# KiCad board Backplane_v2.kicad_pcb (continued)
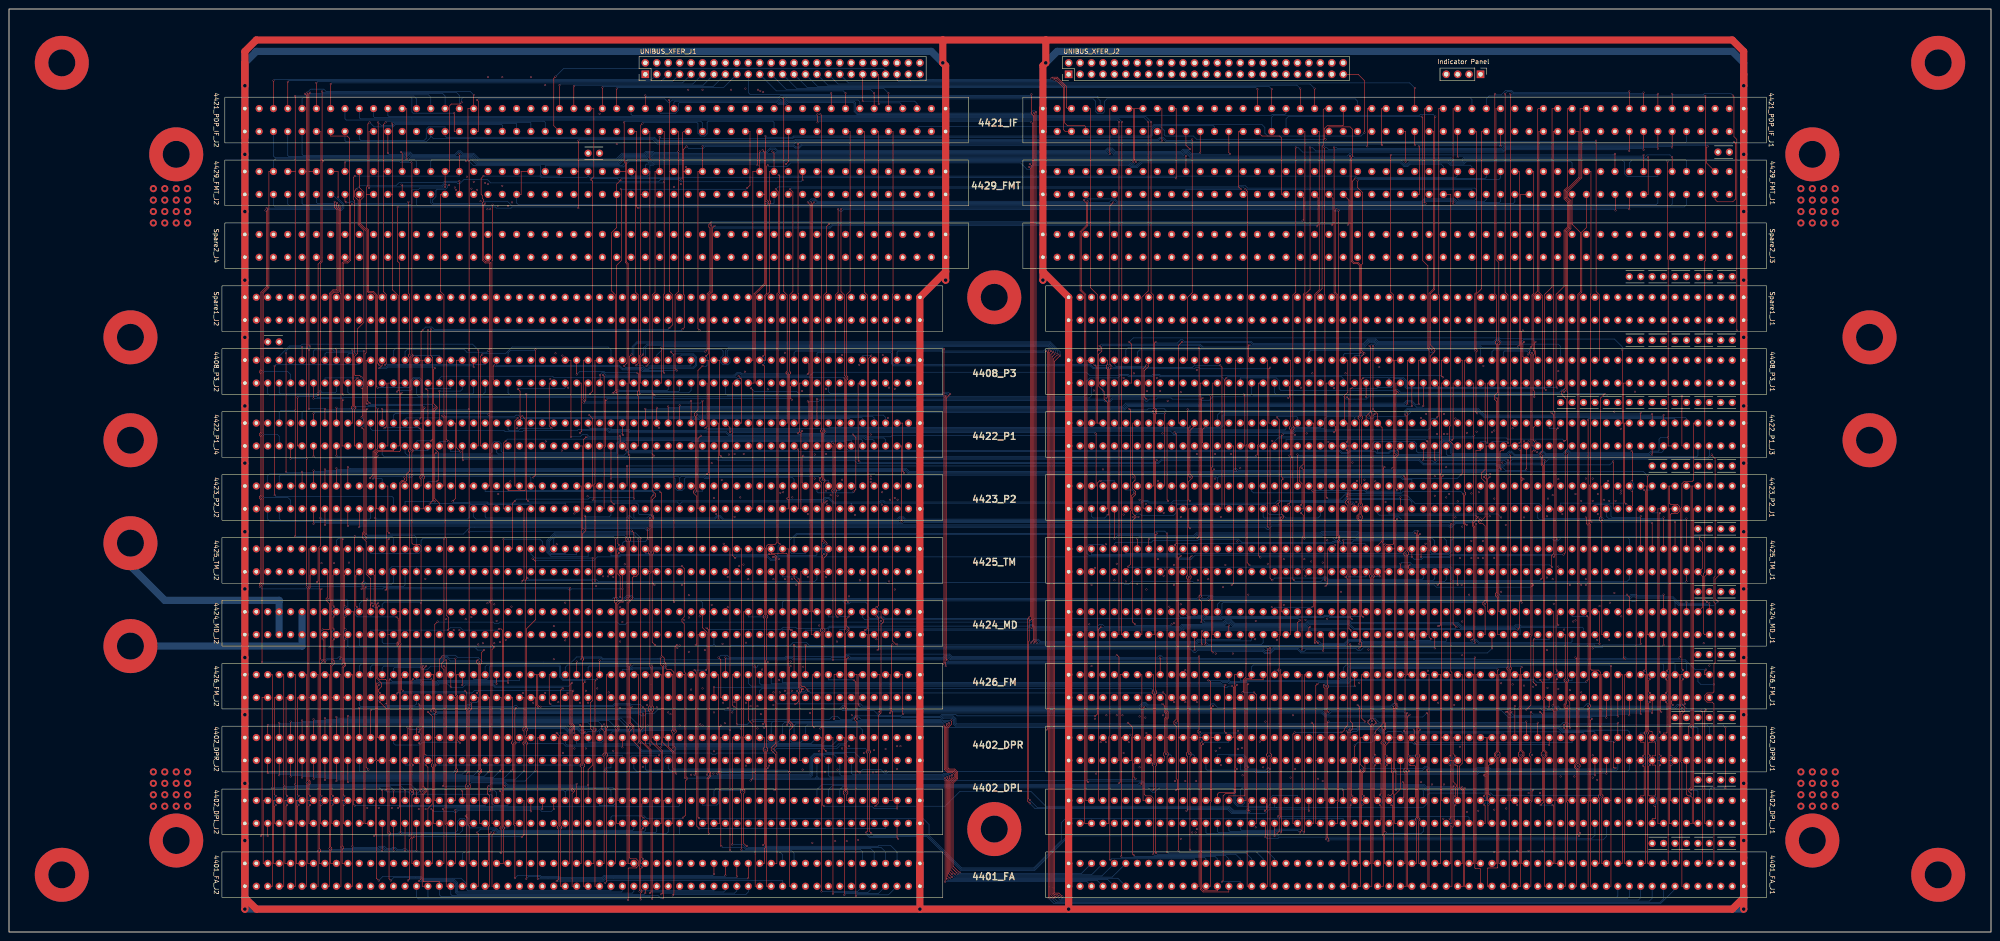
[diagram p0: board, top side]
## Nets (continued)
SP+DP01*: 4422_P1_J3.27 4423_P2_J1.30 4424_MD_J1.50
SP+DP02*: 4422_P1_J3.29 4423_P2_J1.31 4424_MD_J1.51
SP+DP03*: 4422_P1_J3.31 4423_P2_J1.32 4424_MD_J1.52
SP+DP04*: 4422_P1_J3.39 4423_P2_J1.51 4424_MD_J1.69
SP+DP05*: 4422_P1_J3.41 4423_P2_J1.52 4424_MD_J1.70
SP+DP06*: 4422_P1_J3.43 4423_P2_J1.53 4424_MD_J1.71
SP+DP07*: 4422_P1_J3.45 4423_P2_J1.54 4424_MD_J1.72
SP+DP08*: 4422_P1_J3.73 4423_P2_J1.59 4424_MD_J1.81
SP+DP09*: 4422_P1_J3.75 4423_P2_J1.60 4424_MD_J1.82
SP+DP10*: 4422_P1_J3.77 4423_P2_J1.61 4424_MD_J1.83
SP+DP11*: 4422_P1_J3.79 4423_P2_J1.62 4424_MD_J1.84
SP+DP12*: 4422_P1_J3.105 4423_P2_J1.75 4424_MD_J1.101
SP+DP13*: 4422_P1_J3.107 4423_P2_J1.76 4424_MD_J1.102
SP+DP14*: 4422_P1_J3.109 4423_P2_J1.77 4424_MD_J1.103
SP+DP15*: 4422_P1_J3.111 4423_P2_J1.78 4424_MD_J1.104
SPA2PNL: 4408_P3_J1.82 4422_P1_J4.21
SPD2PNL: 4408_P3_J1.81 4422_P1_J3.10
SPEC*: 4408_P3_J2.10 4422_P1_J4.77
SPIN*: 4408_P3_J1.51 4422_P1_J4.17 4423_P2_J1.93
SR2HD*: 4408_P3_J1.70 4421_PDP_IF_J2.92
SRADEC: 4422_P1_J4.55 4423_P2_J2.22
SRAINC: 4422_P1_J4.56 4423_P2_J2.23
SRAOVD: 4422_P1_J4.15 4423_P2_J2.47
SRSWE*: 4422_P1_J4.74 4423_P2_J2.20
STA2PNL: 4408_P3_J1.84 4422_P1_J3.12
TM02*: 4425_TM_J1.87
TM2A1: 4408_P3_J2.34 4425_TM_J1.21
TM2DP: 4423_P2_J1.109 4425_TM_J1.22
TM2M1: 4423_P2_J2.51 4425_TM_J2.73
TM2PNL: 4408_P3_J1.48 4423_P2_J2.116
TM03*: 4425_TM_J1.88
TM04*: 4425_TM_J1.89
TM05*: 4425_TM_J1.90
TM06*: 4425_TM_J1.91
TM07*: 4425_TM_J1.92
TM08*: 4425_TM_J2.5
TM09*: 4425_TM_J2.6
TM10*: 4425_TM_J2.7
TM11*: 4425_TM_J2.8
TM12*: 4425_TM_J2.9
TM13*: 4425_TM_J2.10
TM14*: 4425_TM_J2.11
TM15*: 4425_TM_J2.12
TM16*: 4425_TM_J2.39
TM17*: 4425_TM_J2.40
TM18*: 4425_TM_J2.41
TM19*: 4425_TM_J2.42
TM20*: 4425_TM_J2.43
TM21*: 4425_TM_J2.44
TM22*: 4425_TM_J2.45
TM23*: 4425_TM_J2.46
TM24*: 4425_TM_J2.75
TM25*: 4425_TM_J2.76
TM26*: 4425_TM_J2.77
TM27*: 4425_TM_J2.78
TM28*: 4425_TM_J2.79
TM29*: 4425_TM_J2.80
TM30*: 4425_TM_J2.81
TM31*: 4425_TM_J2.82
TM32*: 4425_TM_J2.109
TM33*: 4425_TM_J2.110
TM34*: 4425_TM_J2.111
TM35*: 4425_TM_J2.112
TM36*: 4425_TM_J2.113
TM37*: 4425_TM_J2.114
TM38*: 4425_TM_J2.115
TM39*: 4425_TM_J2.116
TMA00: 4423_P2_J1.25 4425_TM_J1.13
TMA01: 4423_P2_J1.26 4425_TM_J1.15
TMA02: 4423_P2_J1.27 4425_TM_J1.17
TMA2PNL: 4408_P3_J1.93 4423_P2_J1.37
TMA03: 4423_P2_J1.28 4425_TM_J1.19
TMA04: 4423_P2_J1.47 4425_TM_J1.23
TMA05: 4423_P2_J1.48 4425_TM_J1.25
TMA06: 4423_P2_J1.49 4425_TM_J1.27
TMA07: 4423_P2_J1.50 4425_TM_J1.29
TMA08: 4423_P2_J1.55 4425_TM_J1.33
TMA09: 4423_P2_J1.56 4425_TM_J1.35
TMA10: 4423_P2_J1.57 4425_TM_J1.37
TMA11: 4423_P2_J1.58 4425_TM_J1.39
TMA12: 4423_P2_J1.71 4425_TM_J1.43
TMA13: 4423_P2_J1.72 4425_TM_J1.45
TMA14: 4423_P2_J1.73 4425_TM_J1.47
TMA15: 4423_P2_J1.74 4425_TM_J1.49
TMALD*A: 4422_P1_J4.37 4423_P2_J2.114
TMINH: 4423_P2_J1.38 4425_TM_J1.11
TMNEG: 4423_P2_J1.36 4425_TM_J1.62
TMREGE: 4423_P2_J2.113 4425_TM_J1.61
TRIGQ*: 4408_P3_J1.31
TSPIN: 4408_P3_J1.52 4422_P1_J4.42 4423_P2_J2.15
TST0: 4422_P1_J4.44
TST1: 4422_P1_J4.46
TST2: 4422_P1_J4.48
TST3: 4422_P1_J4.50
UNFL*: 4421_PDP_IF_J1.72 4429_FMT_J1.80
USECB*: 4408_P3_J2.7 4423_P2_J1.108
USEPNL*: 4408_P3_J1.56 4422_P1_J4.35
USEPSA*: 4408_P3_J1.53 4422_P1_J4.33
WDPI: 4422_P1_J4.82 4423_P2_J1.24
WRTEXP: 4408_P3_J1.109 4423_P2_J1.97 4424_MD_J1.9 4425_TM_J1.10
WRTHM: 4408_P3_J1.113 4423_P2_J1.96 4424_MD_J1.11 4425_TM_J1.8
WRTLM: 4408_P3_J1.114 4423_P2_J1.95 4424_MD_J1.13 4425_TM_J1.6
X01: 4402_DPL_J1.9 4402_DPR_J1.9 4423_P2_J1.9
X02: 4402_DPL_J1.11 4402_DPR_J1.11 4423_P2_J1.11
X03: 4402_DPL_J1.13 4402_DPR_J1.13 4423_P2_J1.13
X04: 4402_DPL_J1.15 4402_DPR_J1.15 4423_P2_J1.15
X05: 4402_DPL_J1.17 4402_DPR_J1.17 4423_P2_J1.17
XECLKE*: 4402_DPL_J1.49 4423_P2_J1.81
XHMCLKE*: 4402_DPR_J1.49 4423_P2_J1.82
XIA: 4402_DPL_J1.45 4402_DPR_J1.45 4423_P2_J1.84
XIB: 4402_DPL_J1.46 4402_DPR_J1.46 4423_P2_J1.89
XLMCLKE*: 4402_DPL_J1.51 4402_DPR_J1.51 4423_P2_J1.83
Y01: 4402_DPL_J1.10 4402_DPR_J1.10 4423_P2_J1.10
Y02: 4402_DPL_J1.12 4402_DPR_J1.12 4423_P2_J1.12
Y2A1: 4402_DPL_J1.65 4402_DPR_J1.65 4408_P3_J2.33
Y2A2: 4402_DPL_J1.67 4402_DPR_J1.67 4408_P3_J2.9
Y2DP: 4402_DPL_J1.66 4402_DPR_J1.66 4423_P2_J1.113
Y2M1: 4402_DPL_J1.68 4402_DPR_J1.68 4423_P2_J2.49
Y2M2: 4402_DPL_J1.70 4402_DPR_J1.70 4423_P2_J2.53
Y03: 4402_DPL_J1.14 4402_DPR_J1.14 4423_P2_J1.14
Y04: 4402_DPL_J1.16 4402_DPR_J1.16 4423_P2_J1.16
Y05: 4402_DPL_J1.18 4402_DPR_J1.18 4423_P2_J1.18
YECLKE*: 4402_DPL_J1.50 4423_P2_J1.86
YHMCLKE*: 4402_DPR_J1.50 4423_P2_J1.87
YIA: 4402_DPL_J1.47 4402_DPR_J1.47 4423_P2_J1.85
YIB: 4402_DPL_J1.48 4402_DPR_J1.48 4423_P2_J1.90
YLMCLKE*: 4402_DPL_J1.52 4402_DPR_J1.52 4423_P2_J1.88
Net-(J1-Pin_2): 4401_FA_J1.6 J1.2
Net-(J2-Pin_2): 4401_FA_J1.8 J2.2
Net-(J3-Pin_2): 4401_FA_J1.10 J3.2
Net-(J4-Pin_1): 4402_DPL_J1.5 J4.1
Net-(J5-Pin_2): 4402_DPL_J1.6 J5.2
Net-(J6-Pin_1): 4402_DPR_J1.5 J6.1
Net-(J7-Pin_2): 4402_DPR_J1.6 J7.2
Net-(J8-Pin_1): 4426_FM_J1.5 J8.1
Net-(J9-Pin_2): 4426_FM_J1.6 J9.2
Net-(J10-Pin_2): 4426_FM_J1.8 J10.2
Net-(J11-Pin_2): 4426_FM_J1.10 J11.2
Net-(J12-Pin_1): 4424_MD_J1.5 J12.1
Net-(J13-Pin_2): 4424_MD_J1.6 J13.2
Net-(J14-Pin_1): 4425_TM_J1.5 J14.1
Net-(J15-Pin_1): 4423_P2_J1.5 J15.1
Net-(J16-Pin_2): 4423_P2_J1.6 J16.2
Net-(J17-Pin_1): 4422_P1_J3.5 J17.1
Net-(J18-Pin_1): 4422_P1_J3.7 J18.1
Net-(J19-Pin_2): 4422_P1_J3.6 J19.2
Net-(J20-Pin_1): 4408_P3_J1.5 J20.1
Net-(J21-Pin_1): 4408_P3_J1.7 J21.1
Net-(J22-Pin_1): 4408_P3_J1.9 J22.1
Net-(J23-Pin_1): 4408_P3_J1.11 J23.1
Net-(J24-Pin_1): 4408_P3_J1.13 J24.1
Net-(J25-Pin_2): 4408_P3_J1.25 J25.2
Net-(J26-Pin_2): 4408_P3_J1.21 J26.2
Net-(J27-Pin_2): 4408_P3_J1.19 J27.2
Net-(J28-Pin_2): 4408_P3_J1.17 J28.2
Net-(J29-Pin_2): 4408_P3_J1.15 J29.2
Net-(J30-Pin_2): 4408_P3_J1.6 J30.2
Net-(J31-Pin_2): 4408_P3_J1.8 J31.2
Net-(J32-Pin_2): 4408_P3_J1.10 J32.2
Net-(J33-Pin_2): 4408_P3_J1.12 J33.2
Net-(J34-Pin_2): 4408_P3_J1.14 J34.2
Net-(J35-Pin_1): 4408_P3_J1.20 J35.1
Net-(J36-Pin_1): 4408_P3_J1.18 J36.1
Net-(J37-Pin_1): 4408_P3_J1.16 J37.1
Net-(J38-Pin_2): 4421_PDP_IF_J2.52 J38.2
Net-(J40-Pin_2): 4408_P3_J2.115 J40.2
Net-(J41-Pin_2): 4421_PDP_IF_J1.6 J41.2

Pads without a net: 4401_FA_J1 5 11 29 37 38 73 74 75 76 77 78 79 80 81 82 99 100 101 102 103 104 105 106 107 108; 4401_FA_J2 13 14 15 16 17 18 19 20 21 22 39 40 41 42 43 44 45 46 47 48 65 66 67 68 69 70 71 72 73 74 91 92 93 94 95 96 97 98 99; 4421_PDP_IF_J1 5 7 8 9 19 20 21 22 31 32 33 34 52 54 56 58 75 82 84 86 88 90; 4421_PDP_IF_J2 8 23 33 61; 4422_P1_J3 20 50 63 100 102 114; 4422_P1_J4 32 40 51 98; 4423_P2_J1 7 8 33 91; 4423_P2_J2 62 63 67 68 75 76 84 88 91 99 104; 4424_MD_J1 37 38 39 41; 4424_MD_J2 5 6 7 8 13 14 23 24 29 30 35 36 45 46 51 52 57 58 67 68 73 74 79 80 107 108 111 112 115 116; 4425_TM_J1 7 9 31 32 41 42 51; 4425_TM_J2 37 38 71 72 74 83 84 85 86 87 88 95 96; 4426_FM_J1 29 37 63 65 75 76 93 94 111 112 113 114; 4429_FMT_J1 8 21 22 28 45 46 47 49 50 65 95 96; 4429_FMT_J2 49 50 60 61; Spare1_J1 5 6 7 8 9 10 11 12 13 14 15 16 17 18 19 20 21 22 23 24 25 26 27 28 29 30 31 32 33 34 35 36 37 38 39 40 41 42 43 44 45 46 47 48 49 50 51 52 53 54 55 56 57 58 59 60 61 62 63 64 65 66 67 68 69 70 71 72 73 74 75 76 77 78 79 80 81 82 83 84 85 86 87 88 89 90 91 92 93 94 95 96 97 98 99 100 101 102 103 104 105 106 107 108 109 110 111 112 113 114 115 116; Spare1_J2 5 6 7 8 9 10 11 12 13 14 15 16 17 18 19 20 21 22 23 24 25 26 27 28 29 30 31 32 33 34 35 36 37 38 39 40 41 42 43 44 45 46 47 48 49 50 51 52 53 54 55 56 57 58 59 60 61 62 63 64 65 66 67 68 69 70 71 72 73 74 75 76 77 78 79 80 81 82 83 84 85 86 87 88 89 90 91 92 93 94 95 96 97 98 99 100 101 102 103 104 105 106 107 108 109 110 111 112 113 114 115 116; Spare2_J3 5 6 7 8 9 10 11 12 13 14 15 16 17 18 19 20 21 22 23 24 25 26 27 28 29 30 31 32 33 34 35 36 37 38 39 40 41 42 43 44 45 46 47 48 49 50 51 52 53 54 55 56 57 58 59 60 61 62 63 64 65 66 67 68 69 70 71 72 73 74 75 76 77 78 79 80 81 82 83 84 85 86 87 88 89 90 91 92 93 94 95 96; Spare2_J4 5 6 7 8 9 10 11 12 13 14 15 16 17 18 19 20 21 22 23 24 25 26 27 28 29 30 31 32 33 34 35 36 37 38 39 40 41 42 43 44 45 46 47 48 49 50 51 52 53 54 55 56 57 58 59 60 61 62 63 64 65 66 67 68 69 70 71 72 73 74 75 76 77 78 79 80 81 82 83 84 85 86 87 88 89 90 91 92 93 94 95 96; UNIBUS_XFER_J1 1 37; UNIBUS_XFER_J2 33 35

## Via types
v1: diameter 12, hole 6, F.SigTop to B.Sig.Top, 16 vias
v2: diameter 0.4, hole 0.3, F.SigTop to B.Sig.Top, 1763 vias
v3: diameter 1.6, hole 0.8, F.SigTop to B.Sig.Top, 98 vias

## Routing (per net, layer and track width the routed paths; a pad name or vN(x,y) marks a point on that pad's centre or on a via; arc(x,y) is an arc through that point)
+5V: length 3734.2
  F.SigTop w1.6: 4421_PDP_IF_J2.1 Spare2_J4.2 207.94,146.69 ; 52.36,7.62 v3(52.36,5.08) ; 52.36,7.62 54.9,5.08 382.56,5.08 385.1,7.62 ; 52.36,7.62 v3(52.36,20.32) ; v3(385.1,5.08) 385.1,7.62 ; 385.1,7.62 4401_FA_J1.2 4421_PDP_IF_J1.1 ; 52.36,193.04 4421_PDP_IF_J2.100 52.36,176.53 ; 52.36,193.04 52.36,195.58 54.9,198.12 207.3,198.12 ; 52.36,193.04 v3(52.36,187.96) ; 52.36,16.51 4401_FA_J2.119 ; 229.52,177.8 229.52,192.4 v3(230.16,193.04) 230.16,198.12 ; 4401_FA_J1.120 4401_FA_J1.119 ; 4401_FA_J1.119 4402_DPL_J1.120 4402_DPL_J1.119 4402_DPR_J1.120 4402_DPR_J1.119 4426_FM_J1.120 4426_FM_J1.119 4424_MD_J1.120 4424_MD_J1.119 4425_TM_J1.120 4425_TM_J1.119 4423_P2_J1.120 4423_P2_J1.119 4422_P1_J3.120 4422_P1_J3.119 4408_P3_J1.120 4408_P3_J1.119 Spare1_J1.120 Spare1_J1.119 229.52,146.69 ; 4401_FA_J1.119 v3(235.24,5.08) ; 230.16,198.12 207.3,198.12 ; 230.16,198.12 382.56,198.12 385.1,195.58 385.1,190.5 ; 207.3,198.12 v3(207.3,193.04) 207.94,192.4 4421_PDP_IF_J2.2 ; 229.52,146.69 v3(229.52,144.78) ; 229.52,146.69 229.52,182.88 ; 207.94,146.69 Spare1_J2.1 Spare1_J2.2 4408_P3_J2.1 4408_P3_J2.2 4422_P1_J4.1 4422_P1_J4.2 4423_P2_J2.1 4423_P2_J2.2 4425_TM_J2.1 4425_TM_J2.2 4424_MD_J2.1 4424_MD_J2.2 4426_FM_J2.1 4426_FM_J2.2 4402_DPR_J2.1 4402_DPR_J2.2 4402_DPL_J2.1 4402_DPL_J2.2 4401_FA_J2.1 ; 207.94,146.69 v3(207.94,144.78) ; 4401_FA_J2.120 4421_PDP_IF_J2.99 ; 4401_FA_J2.1 v3(202.22,5.08) ; 4401_FA_J2.1 4401_FA_J2.2 ; 385.1,190.5 4421_PDP_IF_J1.2 ; 385.1,190.5 v3(385.1,187.96)
  F.Sig.In w1.6: v3(235.24,5.08) 4401_FA_J1.120 Spare1_J1.119 ; v3(385.1,5.08) 385.1,17.78 ; 385.1,17.78 4421_PDP_IF_J1.1 v3(385.1,187.96) ; 385.1,17.78 4401_FA_J1.2 ; v3(52.36,187.96) 4421_PDP_IF_J2.99 4421_PDP_IF_J2.100 ; Spare1_J2.1 4401_FA_J2.2 v3(202.22,5.08) ; v3(230.16,193.04) 229.52,192.4 v3(229.52,144.78) 229.52,141.61 Spare1_J1.120 ; 52.36,170.18 4429_FMT_J2.99 ; 4429_FMT_J2.99 4401_FA_J2.120 v3(52.36,5.08) ; 4429_FMT_J2.99 4421_PDP_IF_J2.100 ; 52.36,175.26 4421_PDP_IF_J2.100 ; 52.36,22.86 4402_DPL_J2.120 ; v3(207.3,193.04) 207.94,192.4 4421_PDP_IF_J2.1 Spare2_J4.1 Spare2_J4.2 v3(207.94,144.78) 207.94,141.61 Spare1_J2.2
  B.Sig.In w1.6: v3(385.1,187.96) v3(385.1,172.72) v3(385.1,160.02) v3(385.1,144.78) v3(385.1,132.08) v3(385.1,116.84) v3(385.1,104.14) v3(385.1,88.9) v3(385.1,76.2) v3(385.1,60.96) v3(385.1,48.26) v3(385.1,33.02) v3(385.1,20.32) 4401_FA_J1.1 4401_FA_J1.2 ; 385.1,170.18 4429_FMT_J1.1 ; 52.36,17.78 4401_FA_J2.119 ; 4401_FA_J2.119 v3(52.36,20.32) v3(52.36,33.02) v3(52.36,48.26) v3(52.36,60.96) ; 4401_FA_J2.119 v3(52.36,5.08) ; v3(52.36,76.2) v3(52.36,88.9) v3(52.36,104.14) v3(52.36,116.84) v3(52.36,132.08) v3(52.36,144.78) v3(52.36,160.02) v3(52.36,172.72) v3(52.36,187.96)
  B.Sig.Top w1.6: v3(52.36,60.96) v3(52.36,5.08) v3(385.1,5.08) v3(385.1,187.96) 385.1,193.04 382.56,195.58 232.7,195.58 v3(230.16,193.04) ; v3(207.3,193.04) 204.76,195.58 54.9,195.58 52.36,193.04 v3(52.36,187.96) v3(52.36,76.2) ; 4425_TM_J2.120 4421_PDP_IF_J2.99 ; 400.34,24.13 401.61,25.4 ; 4429_FMT_J2.100 4429_FMT_J2.99 ; 52.36,176.53 4421_PDP_IF_J2.100
  vias: v1(37.12,172.72) v1(37.12,20.32) v1(400.34,172.72) v1(400.34,20.32) v3(32.04,165.1) v3(32.04,162.56) v3(32.04,160.02) v3(32.04,157.48) v3(32.04,35.56) v3(32.04,33.02) v3(32.04,30.48) v3(32.04,27.94) v3(34.58,165.1) v3(34.58,162.56) v3(34.58,160.02) v3(34.58,157.48) v3(34.58,35.56) v3(34.58,33.02) v3(34.58,30.48) v3(34.58,27.94) v3(37.12,165.1) v3(37.12,162.56) v3(37.12,160.02) v3(37.12,157.48) v3(37.12,35.56) v3(37.12,33.02) v3(37.12,30.48) v3(37.12,27.94) v3(39.66,165.1) v3(39.66,162.56) v3(39.66,160.02) v3(39.66,157.48) v3(39.66,35.56) v3(39.66,33.02) v3(39.66,30.48) v3(39.66,27.94) v3(397.8,165.1) v3(397.8,162.56) v3(397.8,160.02) v3(397.8,157.48) v3(397.8,35.56) v3(397.8,33.02) v3(397.8,30.48) v3(397.8,27.94) v3(400.34,165.1) v3(400.34,162.56) v3(400.34,160.02) v3(400.34,157.48) v3(400.34,35.56) v3(400.34,33.02) v3(400.34,30.48) v3(400.34,27.94) v3(402.88,165.1) v3(402.88,162.56) v3(402.88,160.02) v3(402.88,157.48) v3(402.88,35.56) v3(402.88,33.02) v3(402.88,30.48) v3(402.88,27.94) v3(405.42,165.1) v3(405.42,162.56) v3(405.42,160.02) v3(405.42,157.48) v3(405.42,35.56) v3(405.42,33.02) v3(405.42,30.48) v3(405.42,27.94)
+12V: length 88.9
  B.Sig.In w1.6: v1(26.96,63.5) 65.06,63.5 4424_MD_J2.109
  B.Sig.Top w1.6: 4424_MD_J2.109 4424_MD_J2.110 65.06,63.5 29.5,63.5
-5V: length 95.2
  B.Sig.In w1.6: v1(26.96,86.36) 26.96,81.28 34.58,73.66 59.98,73.66 4424_MD_J2.113 4424_MD_J2.114
  B.Sig.Top w1.6: 26.96,83.82 26.96,81.28 34.58,73.66 59.98,73.66 4424_MD_J2.113 4424_MD_J2.114
GND:
  vias: v1(11.72,193.04) v1(11.72,12.7) v1(26.96,132.08) v1(26.96,109.22) v1(218.73,140.97) v1(218.73,22.86) v1(413.04,132.08) v1(413.04,109.22) v1(428.28,193.04) v1(428.28,12.7) v2(360.97,120.01) v2(376.21,64.13) v2(377.48,59.18)
376IN*: length 185.8
  F.SigTop w0.127: 4408_P3_J2.57 130.08,127 130.08,99.57 129.83,99.31 129.83,96.27 v2(129.58,96.01) ; v2(262.16,95.76) 261.91,96.01 261.91,100.08 262.67,100.84 262.67,101.22 262.16,101.73 262.16,111.38 263.18,112.39 4422_P1_J3.97
  B.Sig.Top w0.127: v2(262.16,95.76) 258.48,95.76 257.97,95.25 253.02,95.25 252.64,95.63 251.88,95.63 251.5,95.25 194.35,95.25 194.09,95.5 193.58,95.5 193.33,95.25 187.11,95.25 186.98,95.12 ; v2(129.58,96.01) 129.83,95.76 180.88,95.76 181.39,96.27 181.9,96.27 182.92,95.25 186.85,95.25 186.98,95.12 ; 186.98,95.12 4423_P2_J2.14
376LD*: length 180.6
  F.SigTop w0.127: 4408_P3_J2.58 131.23,122.05 v2(131.23,123.7) ; 4423_P2_J2.26 173.01,93.98 173.01,96.01 v2(172.76,96.27) 173.01,96.52 v2(173.01,124.21) ; v2(257.34,95.76) 257.08,96.01 257.08,113.03 4422_P1_J3.101
  B.Sig.Top w0.127: v2(173.01,124.21) 172.76,123.95 162.72,123.95 162.47,124.21 161.58,124.21 161.07,123.7 132.5,123.7 131.99,124.21 131.61,124.21 131.23,123.82 v2(131.23,123.7) ; v2(172.76,96.27) 173.01,96.01 180.63,96.01 181.14,96.52 182.03,96.52 183.04,95.5 193.2,95.5 193.46,95.76 194.22,95.76 194.47,95.5 251.37,95.5 251.75,95.88 252.77,95.88 253.15,95.5 257.08,95.5 v2(257.34,95.76)
377IN*: length 101.3
  F.SigTop w0.127: v2(260.39,131.06) 259.62,130.3 259.62,113.03 4422_P1_J3.99 ; v2(336.33,131.06) 336.08,130.81 336.08,127.76 4408_P3_J1.39
  B.Sig.Top w0.127: v2(260.39,131.06) 260.51,130.94 275.63,130.94 276.13,130.43 300.77,130.43 301.79,131.44 303.31,131.44 303.82,130.94 329.73,130.94 330.24,131.44 330.62,131.44 331.25,130.81 336.08,130.81 v2(336.33,131.06)
377LD*: length 110.6
  F.SigTop w0.127: 4408_P3_J1.37 338.87,127.51 338.87,129.03 338.62,129.29 338.62,130.81 v2(338.87,131.06) ; v2(254.54,131.06) 254.29,130.81 254.29,116.46 254.8,115.95 254.8,115.19 254.54,114.94 254.54,113.03 4422_P1_J3.103
  B.Sig.Top w0.127: v2(254.54,131.06) 254.8,130.81 259.37,130.81 260.13,131.57 260.51,131.57 260.89,131.19 275.75,131.19 276.26,130.68 300.64,130.68 301.66,131.7 303.44,131.7 303.95,131.19 329.6,131.19 330.11,131.7 330.74,131.7 331.38,131.06 335.7,131.06 336.2,131.57 338.36,131.57 v2(338.87,131.06)
A1EBS00*: length 45.4
  F.SigTop w0.127: v2(350.56,50.16) 350.56,29.21 4402_DPL_J1.29 ; v2(372.02,50.67) 372.02,51.69 4426_FM_J1.12
  B.Sig.Top w0.127: v2(350.56,50.16) 350.81,49.91 369.73,49.91 370.37,50.55 371.89,50.55 v2(372.02,50.67)
A1EBS01*: length 48.1
  F.SigTop w0.127: v2(369.35,50.42) 369.1,50.67 369.1,51.31 4426_FM_J1.14 ; v2(345.98,50.16) 345.98,29.21 4402_DPL_J1.31
  B.Sig.Top w0.127: v2(345.98,50.16) 346.24,49.91 349.54,49.91 350.3,50.67 350.68,50.67 351.19,50.16 369.1,50.16 v2(369.35,50.42)
A1EBS02*: length 170.1
  F.SigTop w0.127: v2(366.81,48.89) 366.56,49.15 366.56,51.31 4426_FM_J1.16 ; v2(296.2,87) 4425_TM_J1.71 ; v2(343.7,58.04) 343.44,58.29 343.44,87.12 v2(343.7,87.38) 343.44,87.63 343.44,111.51 v2(343.95,112.01) ; 4402_DPL_J1.33 343.44,29.21 343.44,49.28 343.57,49.4 v2(343.7,49.4) 343.44,49.66 343.44,56.01 v2(343.7,56.26)
  B.Sig.Top w0.127: v2(343.95,112.01) 343.82,111.89 341.92,111.89 4422_P1_J3.35 ; v2(343.7,49.4) 343.95,49.15 366.56,49.15 v2(366.81,48.89) ; v2(296.2,87) 296.33,87 296.45,87.12 315.12,87.12 315.5,86.74 315.5,84.46 315.88,84.07 319.44,84.07 320.08,84.71 320.08,87.12 320.58,87.63 343.44,87.63 v2(343.7,87.38) ; v2(343.7,58.04) 343.44,57.78 343.44,56.51 v2(343.7,56.26)
A1EBS03*: length 175.9
  F.SigTop w0.127: 338.11,77.34 338.11,106.68 338.36,106.93 v2(338.75,106.93) ; 338.11,77.34 338.11,76.71 ; 338.11,77.34 v2(338.36,77.09) 338.11,76.84 338.11,76.71 ; 338.11,76.71 338.11,65.91 337.86,65.66 337.86,50.42 v2(336.84,49.4) ; v2(338.87,108.97) 338.62,108.97 338.36,109.22 338.36,112.01 4422_P1_J3.37 ; v2(342.68,49.28) 342.94,49.02 342.94,29.21 4402_DPL_J1.35 ; 4426_FM_J1.18 v2(364.78,48.64) ; 4425_TM_J1.73 292.64,85.09 292.64,77.22 v2(292.26,76.84)
  B.Sig.Top w0.127: v2(336.84,49.4) 337.09,49.66 340.01,49.66 340.52,49.15 342.56,49.15 v2(342.68,49.28) 343.06,48.89 364.53,48.89 v2(364.78,48.64) ; v2(338.75,106.93) 338.36,107.31 338.36,108.46 v2(338.87,108.97) ; v2(338.36,77.09) 337.86,76.58 316.9,76.58 316.39,77.09 292.52,77.09 v2(292.26,76.84)
A1EBS04*: length 237.5
  F.Sig.In w0.127: v2(263.56,33.53) 263.94,33.15 263.94,29.97 4402_DPL_J1.97 ; v2(291.63,82.04) 292.01,82.04 ; 292.01,82.04 292.39,82.42 ; 292.01,82.04 292.39,81.66 ; v2(291.63,33.53) 292.14,34.04 292.14,53.85 291.49,54.49 291.49,55.24 292.14,55.88 292.14,62.23 292.39,62.48 292.39,69.09 292.01,69.47 292.01,70.1 292.39,70.49 292.39,76.07 291.63,76.84 291.63,78.49 292.39,79.25 292.39,81.66 ; 292.39,82.42 292.39,85.09 4425_TM_J1.75 ; 292.39,82.42 292.39,81.66 ; 4426_FM_J1.28 353.1,52.07 353.1,34.29 v2(352.59,33.78) ; v2(327.19,83.06) 327.7,83.57 327.7,99.95 326.93,100.71 326.93,101.98 327.7,102.74 327.7,113.03 4422_P1_J3.47
  B.Sig.In w0.127: v2(263.56,33.53) v2(291.63,33.53) 309.03,33.53 309.28,33.78 343.57,33.78 343.82,33.53 345.35,33.53 345.6,33.78 v2(352.59,33.78) ; v2(291.63,82.04) 292.01,82.04 292.26,82.3 326.43,82.3 v2(327.19,83.06)
A1EBS05*: length 240.1
  F.Sig.In w0.127: 4422_P1_J3.49 324.52,112.65 324.52,110.24 325.16,109.6 325.16,98.3 324.77,97.92 324.39,97.92 324.14,97.66 324.14,97.15 324.39,96.9 324.77,96.9 325.16,96.52 325.16,91.57 324.9,91.31 324.9,90.17 325.16,89.92 325.16,83.57 v2(324.65,83.06) ; 289.34,82.55 289.34,84.33 4425_TM_J1.77 ; 289.34,82.55 289.34,81.28 289.6,81.03 291.63,81.03 292.14,80.52 292.14,79.38 291.75,78.99 290.49,78.99 290.1,78.61 290.1,71.75 289.85,71.5 289.85,64.77 289.47,64.39 289.47,63.88 289.85,63.5 289.85,54.99 290.1,54.74 290.1,34.54 v2(290.61,34.04) ; 289.34,82.55 v2(289.09,82.3) ; 4402_DPL_J1.99 261.4,29.97 261.4,33.27 v2(261.15,33.53) ; 4426_FM_J1.30 350.81,52.07 350.81,50.67 351.06,50.42 351.06,50.04 350.81,49.78 350.81,35.05 v2(351.57,34.29)
  B.Sig.In w0.127: v2(289.09,82.3) 289.34,82.55 324.14,82.55 v2(324.65,83.06) ; v2(351.57,34.29) 351.32,34.04 345.48,34.04 345.22,33.78 343.95,33.78 343.7,34.04 309.15,34.04 308.9,33.78 292.14,33.78 291.88,34.04 v2(290.61,34.04) 290.36,33.78 264.07,33.78 263.81,34.04 261.66,34.04 v2(261.15,33.53)
A1EBS06*: length 235.4
  F.Sig.In w0.127: 4426_FM_J1.32 348.02,52.07 348.02,37.34 347.76,37.08 347.76,36.7 348.02,36.45 348.02,35.05 v2(347.51,34.54) ; v2(287.56,82.8) 287.31,82.8 ; 287.31,82.8 287.06,83.06 ; 287.31,82.8 287.06,82.55 ; 4422_P1_J3.51 322.87,113.03 322.87,101.6 322.62,101.35 322.62,97.79 322.36,97.54 322.36,97.15 322.62,96.9 322.62,90.8 322.11,90.3 322.11,89.53 322.62,89.03 322.62,83.57 v2(322.11,83.06) ; 287.06,83.06 287.06,82.55 ; 287.06,83.06 287.06,85.09 4425_TM_J1.79 ; v2(258.86,33.53) 259.12,33.27 259.12,32.51 258.1,31.5 4402_DPL_J1.101 ; v2(284.52,34.29) 284.52,51.69 284.77,51.94 284.77,78.49 285.28,78.99 286.68,78.99 287.06,79.38 287.06,82.55
  B.Sig.In w0.127: v2(347.51,34.54) 347.25,34.29 345.35,34.29 345.1,34.04 344.08,34.04 343.82,34.29 309.03,34.29 308.77,34.04 292.26,34.04 291.75,34.54 290.49,34.54 289.98,34.04 284.77,34.04 v2(284.52,34.29) 284.26,34.04 264.2,34.04 263.94,34.29 259.62,34.29 v2(258.86,33.53) ; v2(322.11,83.06) 321.85,82.8 v2(287.56,82.8)
A1EBS07*: length 238.4
  F.Sig.In w0.127: 4402_DPL_J1.103 254.54,29.21 254.54,36.83 254.8,37.08 254.8,37.47 254.54,37.72 254.54,52.83 254.8,53.09 254.8,53.47 254.54,53.72 254.54,82.3 v2(255.05,82.8) ; v2(285.47,110.43) 284.77,109.73 284.77,105.54 284.52,105.28 284.52,85.09 4425_TM_J1.81 282.99,84.58 v2(282.99,82.8) ; v2(318.55,110.62) 318.55,112.52 4422_P1_J3.53 320.08,113.03 320.08,109.6 319.82,109.35 319.82,109.09 320.33,108.58 320.33,91.06 320.58,90.8 320.58,50.67 v2(320.84,50.42)
  B.Sig.In w0.127: v2(320.84,50.42) 333.92,50.42 334.3,50.8 344.21,50.8 344.46,51.05 4426_FM_J1.34 ; v2(285.47,110.43) 285.66,110.24 288.96,110.24 289.47,110.74 293.66,110.74 293.91,110.49 316.14,110.49 316.52,110.11 318.04,110.11 v2(318.55,110.62) ; v2(282.99,82.8) 282.87,82.68 277.53,82.68 277.15,83.06 259.62,83.06 259.5,83.18 255.43,83.18 v2(255.05,82.8)
A1EBS08*: length 323.7
  F.Sig.In w0.127: 332.78,89.92 332.78,90.8 ; 332.78,89.92 332.78,58.93 332.52,58.67 332.52,58.42 332.78,58.17 332.78,52.07 ; 332.78,89.92 v2(332.27,90.42) 332.39,90.42 332.78,90.8 ; 332.78,90.8 332.78,104.01 332.27,104.52 332.27,105.16 332.78,105.66 332.78,107.95 333.28,108.46 333.28,111.38 v2(333.79,111.89) ; 332.78,52.07 4426_FM_J1.44 ; 332.78,52.07 332.78,27.81 v2(332.39,27.43)
  B.Sig.In w0.127: 4422_P1_J3.55 316.52,111.89 v2(333.79,111.89) ; v2(332.39,27.43) 332.14,27.69 329.47,27.69 328.97,27.18 327.06,27.18 326.55,27.69 322.87,27.69 322.62,27.43 297.47,27.43 296.96,27.94 230.16,27.94 226.86,31.24 211.11,31.24 207.3,27.43 198.28,27.43 197.52,28.19 196.89,28.19 196.12,27.43 177.33,27.43 176.82,27.94 4402_DPL_J2.21 ; 4425_TM_J1.83 280.96,88.52 281.6,89.15 312.07,89.15 312.46,89.53 322.11,89.53 322.36,89.28 331.12,89.28 v2(332.27,90.42)
A1EBS09*: length 319.3
  F.Sig.In w0.127: 330.24,83.57 v2(329.73,83.06) 330.24,82.55 ; 330.24,83.57 330.49,83.82 330.49,110.62 v2(329.73,111.38) ; 330.24,83.57 330.24,82.55 ; 330.24,82.55 330.24,58.8 329.98,58.55 329.98,58.17 330.24,57.91 330.24,52.07 ; v2(329.73,27.18) 330.24,27.69 330.24,38.99 329.98,39.24 329.98,39.5 330.24,39.75 330.24,52.07 ; 330.24,52.07 4426_FM_J1.46
  B.Sig.In w0.127: v2(329.73,27.18) 329.47,26.92 326.93,26.92 326.43,27.43 323,27.43 322.74,27.18 297.34,27.18 296.83,27.69 230.03,27.69 226.73,30.99 211.24,30.99 207.43,27.18 198.16,27.18 197.51,27.82 196.9,27.82 196.25,27.18 175.04,27.18 174.28,27.94 4402_DPL_J2.23 ; v2(329.73,83.06) 328.71,84.07 310.93,84.07 310.42,84.58 310.04,84.58 309.28,83.82 278.67,83.82 278.42,84.07 4425_TM_J1.85 ; v2(329.73,111.38) 329.47,111.63 314.36,111.63 313.98,112.01 4422_P1_J3.57
A1EBS10*: length 333.5
  F.Sig.In w0.127: 325.66,83.57 v2(326.17,83.06) 325.66,82.55 ; 325.66,83.57 325.66,82.55 ; 325.66,83.57 325.66,90.04 326.17,90.55 326.17,91.06 325.66,91.57 325.66,111 v2(325.79,111.12) ; v2(326.17,26.92) 325.66,27.43 325.66,52.07 ; 325.66,82.55 325.66,65.53 325.92,65.28 325.92,60.83 325.66,60.58 325.66,52.07 ; 325.66,52.07 4426_FM_J1.48
  B.Sig.In w0.127: v2(326.17,26.92) 325.92,27.18 323.12,27.18 322.87,26.92 297.22,26.92 296.71,27.43 274.99,27.43 274.48,26.92 262.55,26.92 262.04,27.43 261.02,27.43 260.51,26.92 230.41,26.92 226.6,30.73 211.36,30.73 207.55,26.92 172.76,26.92 171.74,27.94 4402_DPL_J2.25 ; 4422_P1_J3.59 311.44,111.76 311.82,111.38 325.54,111.38 v2(325.79,111.12) ; 4425_TM_J1.101 258.1,84.07 277.79,84.07 278.29,83.57 310.42,83.57 310.68,83.82 325.41,83.82 v2(326.17,83.06)
A1EBS11*: length 334.1
  F.Sig.In w0.127: v2(323.63,110.87) 323.12,110.36 323.12,97.79 323.38,97.54 323.38,97.15 323.12,96.9 323.12,90.55 v2(322.62,90.04) 322.87,89.79 322.87,77.6 323.12,77.34 323.12,52.07 ; v2(323.63,26.67) 323.12,27.18 323.12,31.37 323.51,31.76 323.51,32.25 323.12,32.64 323.12,52.07 ; 323.12,52.07 4426_FM_J1.50
  B.Sig.In w0.127: 4422_P1_J3.61 308.9,111.63 309.41,111.12 323.38,111.12 v2(323.63,110.87) ; 4425_TM_J1.103 255.56,88.39 256.32,89.15 262.55,89.15 262.8,89.41 311.95,89.41 312.33,89.79 322.36,89.79 v2(322.62,90.04) ; v2(323.63,26.67) 323.25,26.29 288.58,26.29 288.2,26.67 279.44,26.67 279.06,26.29 275.12,26.29 274.99,26.42 261.27,26.42 261.02,26.67 230.29,26.67 226.48,30.48 211.49,30.48 207.68,26.67 170.47,26.67 169.2,27.94 4402_DPL_J2.27
A1MBS00*: length 175.8
  F.SigTop w0.127: v2(253.02,87.25) 4425_TM_J1.105 ; 4401_FA_J1.57 312.96,15.24 312.96,24.64 313.22,24.89 313.22,25.15 312.96,25.4 312.96,38.74 313.22,38.99 313.22,39.24 312.96,39.5 312.96,44.7 v2(313.22,44.96) 312.96,45.21 312.96,88.14 v2(313.22,88.39)
  B.Sig.Top w0.127: v2(253.02,87.25) 253.27,87.5 263.18,87.5 263.81,88.14 291.37,88.14 291.63,88.39 299.25,88.39 299.5,88.14 312.96,88.14 v2(313.22,88.39) ; 4402_DPR_J1.29 349.54,44.2 349.41,44.32 344.84,44.32 343.95,45.21 313.47,45.21 v2(313.22,44.96)